# KiCad board RX8-7.kicad_pcb (continued)
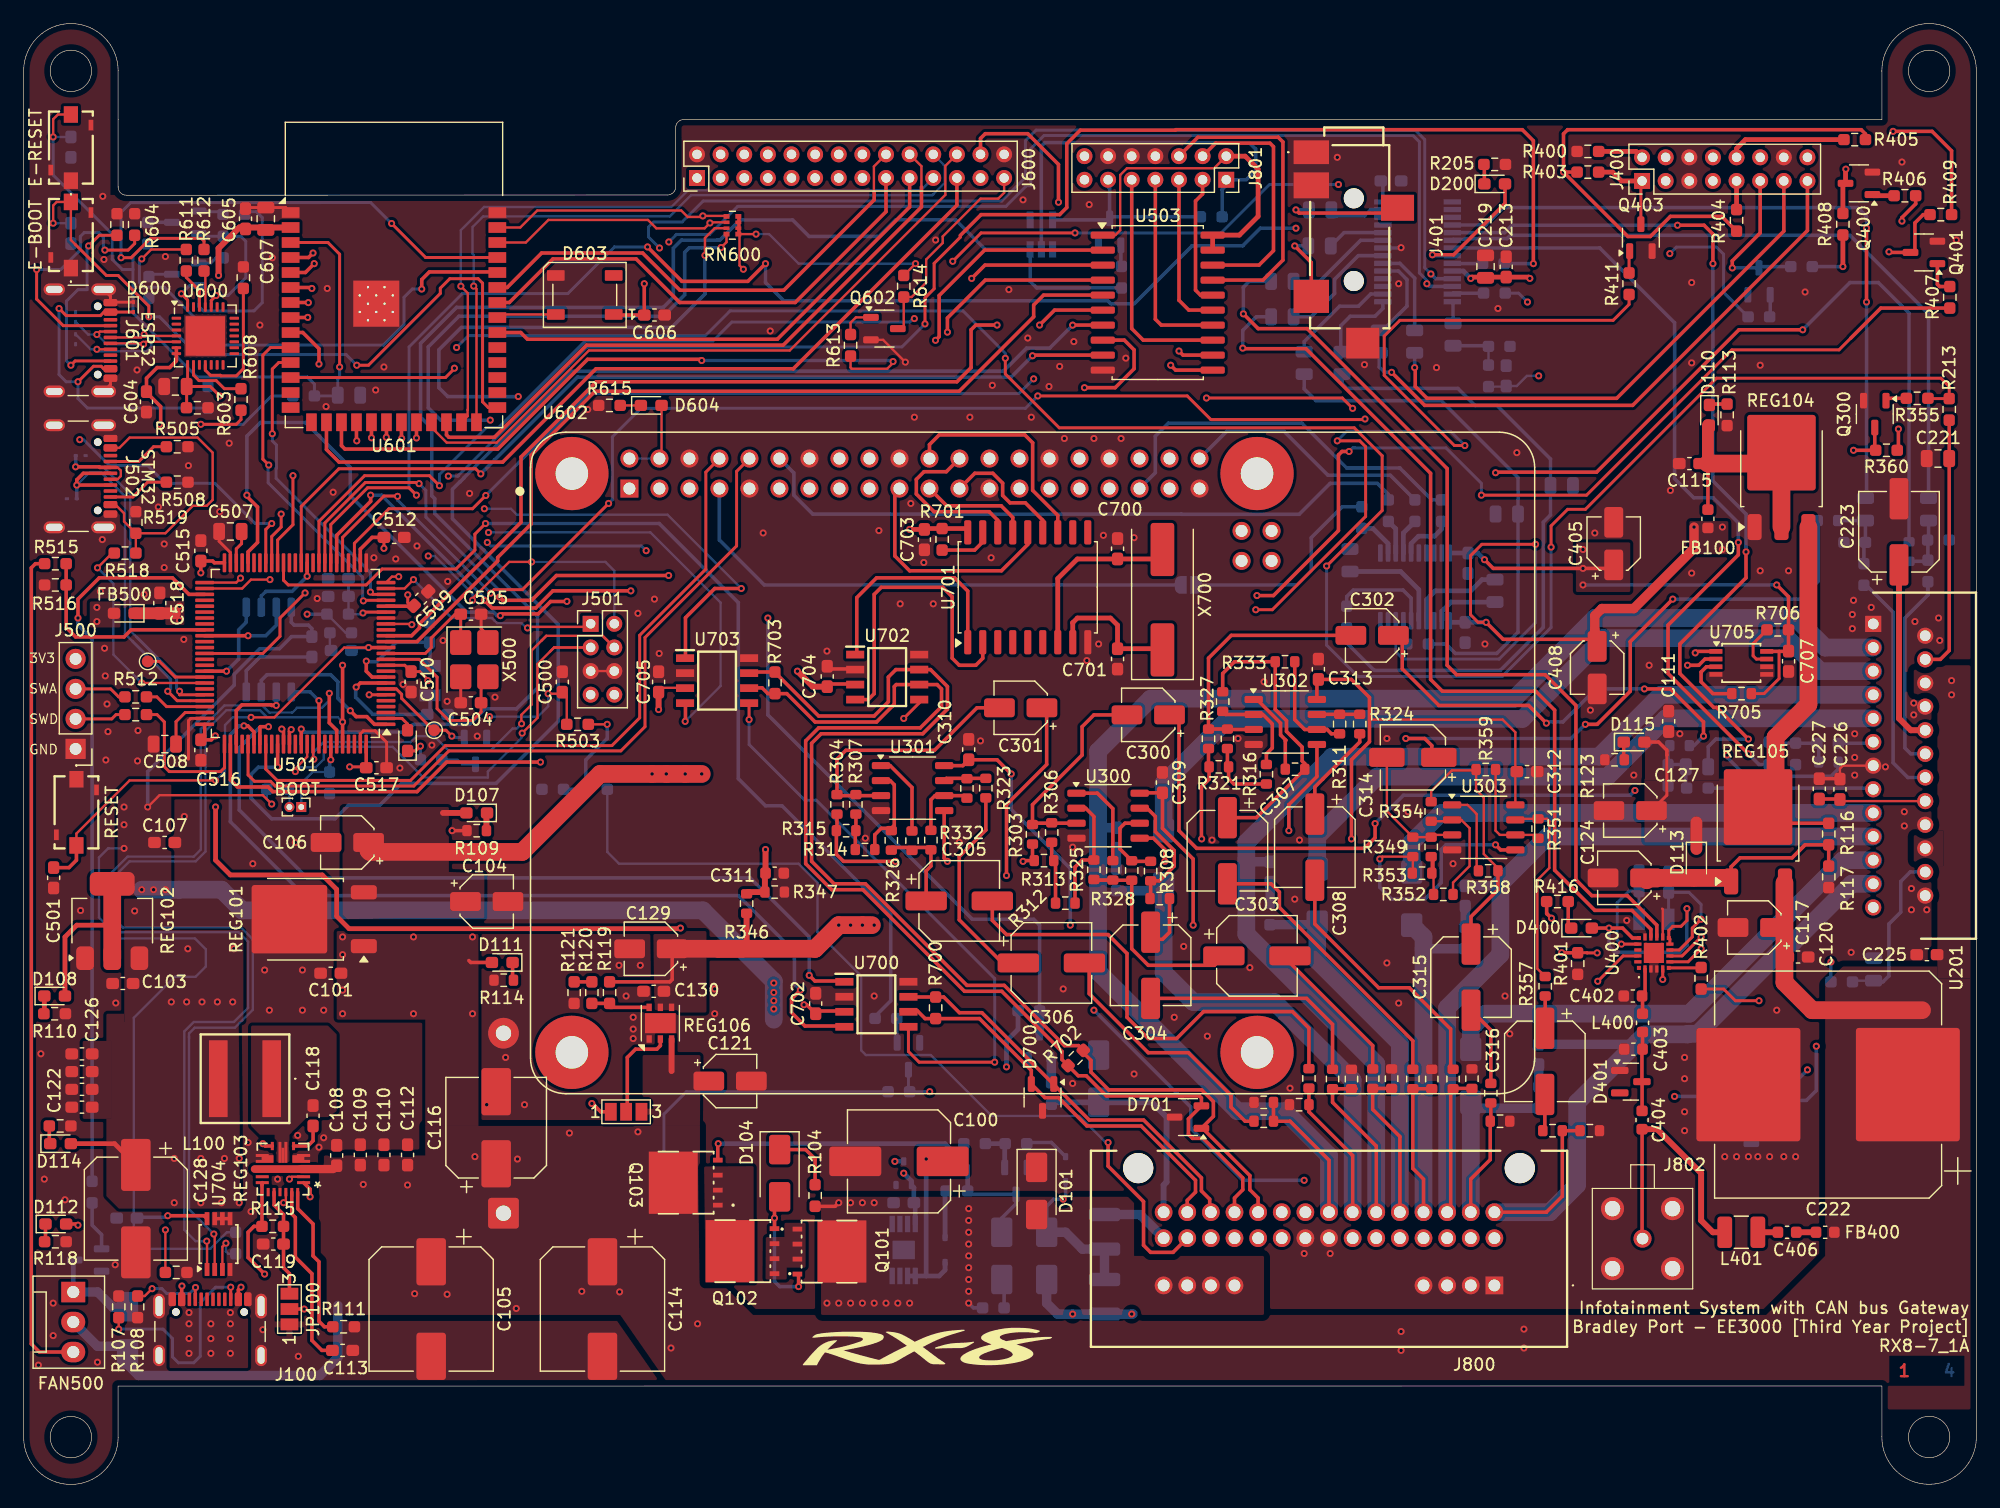
[diagram p0: board, top side]
## Placement (name value [footprint] x y rotation side) (continued)
R341  10k  [R_0603_1608Metric]  112.4 34.32 270 top
R342  10k  [R_0603_1608Metric]  107.97 32.14 0 top
R343  10k  [R_0603_1608Metric]  119.2 34.32 270 top
R344  10k  [R_0603_1608Metric]  122.6 34.34 270 top
R345  10k  [R_0603_1608Metric]  104.97 32.34 0 top
R346  3k3  [R_0603_1608Metric]  61.2 49.17 270 top
R347  3k3  [R_0603_1608Metric]  63.57 50.14 180 top
R348  4k3  [R_0603_1608Metric]  152.74 81.59 180 bottom
R349  0R  [R_0603_1608Metric]  117.6 53.97 90 top
R350  27k  [R_0603_1608Metric]  119.15 53.97 270 top
R351  4k7  [R_0603_1608Metric]  128.2 55.52 270 top
R352  4k7  [R_0603_1608Metric]  120.18 49.94 0 top
R353  0R  [R_0603_1608Metric]  118.38 51.74 0 top
R354  1k  [R_0603_1608Metric]  119.15 56.97 270 top
R355  1k  [R_0603_1608Metric_Pad0.98x0.95mm_HandSolder]  160.29 91.94 180 top
R356  1k  [R_0603_1608Metric_Pad0.98x0.95mm_HandSolder]  72.99 39.44 0 bottom
R357  4R7  [R_0603_1608Metric]  128.8 42.17 90 top
R358  4R7  [R_0603_1608Metric]  123.97 51.94 180 top
R359  4k7  [R_0603_1608Metric]  123.78 60.52 180 top
R360  10k  [R_0603_1608Metric_Pad0.98x0.95mm_HandSolder]  157.69 87.54 0 top
R361  10k  [R_0603_1608Metric_Pad0.98x0.95mm_HandSolder]  74.09 33.24 180 bottom
R362  0R  [R_0603_1608Metric]  124.2 33.12 270 top
R363  0R  [R_0603_1608Metric]  129.43 29.94 0 top
R364  10k  [R_0603_1608Metric]  124.97 30.74 180 top
R365  10k  [R_0603_1608Metric]  132.57 29.94 180 top
R400  10k  [R_0603_1608Metric_Pad0.98x0.95mm_HandSolder]  132.41 112.84 0 top
R401  10k  [R_0603_1608Metric_Pad0.98x0.95mm_HandSolder]  131.55 44.09 90 top
R402  10k  [R_0603_1608Metric_Pad0.98x0.95mm_HandSolder]  142 42.84 270 top
R403  10k  [R_0603_1608Metric_Pad0.98x0.95mm_HandSolder]  132.41 111.09 180 top
R404  10k  [R_0603_1608Metric_Pad0.98x0.95mm_HandSolder]  145 107.01 270 top
R405  10k  [R_0603_1608Metric_Pad0.98x0.95mm_HandSolder]  155 113.84 0 top
R406  1k  [R_0603_1608Metric_Pad0.98x0.95mm_HandSolder]  159.25 109.09 180 top
R407  1k  [R_0603_1608Metric_Pad0.98x0.95mm_HandSolder]  163.05 100.49 90 top
R408  10k  [R_0603_1608Metric_Pad0.98x0.95mm_HandSolder]  154 106.68 270 top
R409  10k  [R_0603_1608Metric_Pad0.98x0.95mm_HandSolder]  162.29 107.49 0 top
R410  1k  [R_0603_1608Metric_Pad0.98x0.95mm_HandSolder]  146.89 98.84 0 bottom
R411  1k  [R_0603_1608Metric_Pad0.98x0.95mm_HandSolder]  135.9 101.64 90 top
R412  1k  [R_0603_1608Metric_Pad0.98x0.95mm_HandSolder]  147.34 32.51 180 bottom
R413  10k  [R_0603_1608Metric_Pad0.98x0.95mm_HandSolder]  144.5 33.51 90 bottom
R414  10k  [R_0603_1608Metric_Pad0.98x0.95mm_HandSolder]  150.5 103.09 0 bottom
R416  22k  [R_0603_1608Metric_Pad0.98x0.95mm_HandSolder]  129.84 49.34 180 top
R417  10k  [R_0603_1608Metric_Pad0.98x0.95mm_HandSolder]  120.03 82.43 270 bottom
R418  10k  [R_0603_1608Metric_Pad0.98x0.95mm_HandSolder]  117.78 82.43 270 bottom
R419  10k  [R_0603_1608Metric_Pad0.98x0.95mm_HandSolder]  115.53 82.43 270 bottom
R420  10k  [R_0603_1608Metric_Pad0.98x0.95mm_HandSolder]  113.28 81.84 270 bottom
R421  470R  [R_0603_1608Metric_Pad0.98x0.95mm_HandSolder]  112 73.43 270 bottom
R422  470R  [R_0603_1608Metric_Pad0.98x0.95mm_HandSolder]  118 71.14 0 bottom
R500  10k  [R_0603_1608Metric_Pad0.98x0.95mm_HandSolder]  21.5 58.84 0 bottom
R501  10k  [R_0603_1608Metric_Pad0.98x0.95mm_HandSolder]  87 33.09 90 bottom
R502  10k  [R_0603_1608Metric_Pad0.98x0.95mm_HandSolder]  85.09 40.09 180 bottom
R503  1k  [R_0603_1608Metric_Pad0.98x0.95mm_HandSolder]  46.89 64.34 180 top
R504  10k  [R_0603_1608Metric_Pad0.98x0.95mm_HandSolder]  92.93 102.2 90 bottom
R505  5k1  [R_0603_1608Metric_Pad0.98x0.95mm_HandSolder]  13 87.84 0 top
R506  10k  [R_0603_1608Metric_Pad0.98x0.95mm_HandSolder]  100.53 107.31 0 bottom
R507  0R  [R_0603_1608Metric_Pad0.98x0.95mm_HandSolder]  26.59 73.67 180 bottom
R508  5k1  [R_0603_1608Metric_Pad0.98x0.95mm_HandSolder]  13 84.84 0 top
R509  10k  [R_0603_1608Metric_Pad0.98x0.95mm_HandSolder]  26.84 72.09 0 bottom
R510  10k  [R_0603_1608Metric_Pad0.98x0.95mm_HandSolder]  25.9 59.39 90 bottom
R511  10k  [R_0603_1608Metric_Pad0.98x0.95mm_HandSolder]  34.5 61.34 180 bottom
R512  22R  [R_0603_1608Metric_Pad0.98x0.95mm_HandSolder]  9.49 66.67 180 top
R513  22R  [R_0603_1608Metric_Pad0.98x0.95mm_HandSolder]  9.49 65.17 180 top
R514  1k  [R_0603_1608Metric_Pad0.98x0.95mm_HandSolder]  124 93.84 90 bottom
R515  82k  [R_0603_1608Metric_Pad0.98x0.95mm_HandSolder]  2.69 77.94 0 top
R516  10k  [R_0603_1608Metric_Pad0.98x0.95mm_HandSolder]  2.69 76.14 180 top
R517  1k  [R_0603_1608Metric_Pad0.98x0.95mm_HandSolder]  5.8 24.74 270 bottom
R518  22k  [R_0603_1608Metric_Pad0.98x0.95mm_HandSolder]  8.59 78.84 0 top
R519  33k  [R_0603_1608Metric_Pad0.98x0.95mm_HandSolder]  9.5 81.43 90 top
R520  0R  [R_0603_1608Metric_Pad0.98x0.95mm_HandSolder]  48.5 58.84 180 bottom
R521  NA  [R_0603_1608Metric_Pad0.98x0.95mm_HandSolder]  44.79 58.84 180 bottom
R600  10k  [R_0603_1608Metric_Pad0.98x0.95mm_HandSolder]  17.79 107.52 180 bottom
R601  10k  [R_0603_1608Metric_Pad0.98x0.95mm_HandSolder]  16.9 104.74 270 bottom
R602  22k1  [R_0603_1608Metric_Pad0.98x0.95mm_HandSolder]  15.6 92.03 90 bottom
R603  47k  [R_0603_1608Metric_Pad0.98x0.95mm_HandSolder]  14.7 91.14 180 top
R604  5k1  [R_0603_1608Metric_Pad0.98x0.95mm_HandSolder]  9.4 106.66 90 top
R605  5k1  [R_0603_1608Metric_Pad0.98x0.95mm_HandSolder]  7.9 106.66 90 top
R606  0R  [R_0603_1608Metric_Pad0.98x0.95mm_HandSolder]  10.5 105.92 270 bottom
R607  0R  [R_0603_1608Metric_Pad0.98x0.95mm_HandSolder]  10.6 101.33 90 bottom
R608  1k  [R_0603_1608Metric_Pad0.98x0.95mm_HandSolder]  18.4 91.84 270 top
R609  10k  [R_0603_1608Metric_Pad0.98x0.95mm_HandSolder]  23.7 92.14 0 bottom
R610  10k  [R_0603_1608Metric_Pad0.98x0.95mm_HandSolder]  18.6 102.16 90 top
R611  0R  [R_0603_1608Metric_Pad0.98x0.95mm_HandSolder]  13.77 103.63 90 top
R612  0R  [R_0603_1608Metric_Pad0.98x0.95mm_HandSolder]  15.27 103.63 90 top
R613  1k  [R_0603_1608Metric_Pad0.98x0.95mm_HandSolder]  70 96.43 90 top
R614  10k  [R_0603_1608Metric_Pad0.98x0.95mm_HandSolder]  74.5 101.43 270 top
R615  22k  [R_0603_1608Metric_Pad0.98x0.95mm_HandSolder]  49.59 91.34 0 top
R700  120R  [R_0603_1608Metric_Pad0.98x0.95mm_HandSolder]  77.2 40.34 270 top
R701  10k  [R_0603_1608Metric_Pad0.98x0.95mm_HandSolder]  77.75 80.01 90 top
R702  120R  [R_0603_1608Metric_Pad0.98x0.95mm_HandSolder]  89.05 36.1 225 top
R703  120R  [R_0603_1608Metric_Pad0.98x0.95mm_HandSolder]  63.6 67.86 90 top
R704  10k  [R_0603_1608Metric_Pad0.98x0.95mm_HandSolder]  17.95 20.43 90 bottom
R705  10k  [R_0603_1608Metric]  145.43 66.94 0 top
R706  10k  [R_0603_1608Metric_Pad0.98x0.95mm_HandSolder]  148.49 72.34 180 top
REF**  -  [LayerMarker_4_6.35x2.54mm_TextH1mm_P1.27mm]  159.2 8.34 0 top
REG100  TPS7B8233QDGNRQ1  [SOP65P490X110-9N]  74.5 19.84 90 bottom
REG101  LF80_TO252  [TO-252-2]  23.76 47.84 180 top
REG102  LD1117S33TR_SOT223  [SOT-223-3_TabPin2]  7.5 47.69 90 top
REG103  MPQ4317GRE-5-AEC1-P  [QFN-20_MPQ4317_MNP]  21.95 26.69 180 top
REG104  NCV1117DT33T5G  [TO-252-3_TabPin2]  148.8 86.08 90 top
REG105  NCV317MBDTRKG  [TO-252-2]  146.82 56.08 90 top
REG106  LDO40LPURY  [DFN-6-1EP_3x3mm_P0.95mm_EP1.7x2.6mm]  53.9 39.04 90 top
RESET  PTS636SKG25JSMTR_LFS  [PTS636SKG25JSMTRLFS]  4.47 56.89 270 top
RN600  R_Network04  [R_Array_Convex_4x0402]  60 106.59 0 top
TP500  TestPoint  [TestPoint_Pad_D1.0mm]  34.75 63.84 180 top
TP501  TestPoint  [TestPoint_Pad_D1.0mm]  10.5 69.67 180 top
U200  TDA7719  [SOP65P640X120-28N]  118 104.34 0 bottom
U201  TDA7388  [TO100P465X2910X1977-25P]  156.57 72.84 270 top
U300  NJM4556A  [SSOP-8_3.9x5.05mm_P1.27mm]  91.8 56.61 0 top
U301  NJM4556A  [SSOP-8_3.9x5.05mm_P1.27mm]  75.25 58.94 0 top
U302  NJM4556A  [SSOP-8_3.9x5.05mm_P1.27mm]  106.8 64.54 0 top
U303  NJM4556A  [SSOP-8_3.9x5.05mm_P1.27mm]  123.6 55.62 0 top
U400  SI4703-C19-GM  [SI4703C19GM]  138 44.99 90 top
U401  PCM5102A  [TSSOP-20_4.4x6.5mm_P0.65mm]  117.78 75.98 90 bottom
U500  MCP1402T-E_OT  [SOT95P270X145-5N]  86.15 105.79 90 bottom
U501  STM32H750VBTx  [LQFP-100_14x14mm_P0.5mm]  23 70.34 180 top
U502  W25Q32JVSS  [SOIC-8_5.3x5.3mm_P1.27mm]  20.75 70.67 90 bottom
U503  74HC245  [SOIC-20W_7.5x12.8mm_P1.27mm]  96 100.04 0 top
U600  CP2102N-Axx-xQFN28  [QFN-28-1EP_5x5mm_P0.5mm_EP3.35x3.35mm]  15.38 97.22 0 top
U601  -  [ESP32-S3-WROOM-1]  31.35 102.41 0 top
U602  Raspberry_Pi_5  [MODULE_RASPBERRY_PI_4B_4GB]  85.41 61.07 0 top
U700  TCAN1051VDRQ1  [SOIC127P600X175-8N]  72.19 40.64 0 top
U701  MCP2515-xSO  [SOIC-18W_7.5x11.6mm_P1.27mm]  85 75.94 90 top
U702  TCAN1051VDRQ1  [SOIC127P600X175-8N]  73.1 68.34 0 top
U703  TCAN1051VDRQ1  [SOIC127P600X175-8N]  58.7 68.04 0 top
U704  LM75B  [TSSOP-8_3x3mm_P0.65mm]  16.5 20.34 90 top
U705  LM75B  [TSSOP-8_3x3mm_P0.65mm]  145.4 69.54 0 top
X400  32.768K  [Crystal_SMD_3215-2Pin_3.2x1.5mm]  138 47.84 0 bottom
X500  25MHz  [Crystal_SMD_3225-4Pin_3.2x2.5mm_HandSoldering]  38.15 69.82 270 top
X501  32.768K  [Crystal_SMD_3215-2Pin_3.2x1.5mm]  34.4 68.04 270 bottom
X700  8MHz  [Crystal_SMD_HC49-SD]  96.4 74.89 90 top

## Library data of the parts
BOOT = -: Description: Generic connector, single row, 01x02, script generated; ki_fp_filters: Connector*:*_1x??_*
C100 = -: Description: EEE-FN2A100L; ki_fp_filters: CP_*
C101 C102 C108-C110 C112 C113 C118-C120 C122 C123 C130 C200-C221 C225-C227 C309-C313 C400-C404 C406 C407 C409-C413 C500-C519 C600-C607 C700-C707 = -: Description: Unpolarized capacitor; ki_fp_filters: C_*
C103 C111 C125 C126 = -: PN: C3225X7R1C226M250AC; ki_fp_filters: C_*
C104 C106 C116 C127 C222 C223 = -: ki_fp_filters: CP_*
C105 = -: Description: MAL215097102E3; ki_fp_filters: CP_*
C107 C115 = -: PN: CL32B106KBJNNNE; ki_fp_filters: C_*
C114 = -: Description: MAL215097101E3; ki_fp_filters: CP_*
C117 C121 C124 C405 C408 = -: Description: EEE-HC1C100R; ki_fp_filters: CP_*
C128 = -: Description: EEE-FN1C471L; ki_fp_filters: CP_*
C129 = -: Description: EDH475M035A9BAA; ki_fp_filters: CP_*
C300-C302 C314 = -: Datasheet: UZT1E4R7MCL1GB; Description: Polarized capacitor; ki_fp_filters: CP_*
C303 C305 C307 C315 = -: Description: EEE-FT1C221AL; ki_fp_filters: CP_*
C304 C306 C308 C316 = -: Description: Polarized capacitor; ki_fp_filters: CP_*
D100 D102 = -: Datasheet: http://www.vishay.com/docs/88516/1n5400.pdf; Sim.Device: D; Sim.Pins: 1=K 2=A; PN: RF302LAM2STR; ki_fp_filters: D*DO?201AD*
D101 D401 D500 = -: Datasheet: https://www.littelfuse.com/media?resourcetype=datasheets&itemid=75e32973-b177-4ee3-a0ff-cedaf1abdb93&filename=smaj-datasheet; Description: 400W bidirectional Transient Voltage Suppressor, 18.0Vr, SMA(DO-214AC); ki_fp_filters: D*SMA*
D103-D105 = -: Description: 1PGSMA4744H; ki_fp_filters: TO-???* *_Diode_* *SingleDiode* D_*
D107 D108 D110-D112 D114 D115 D200 D400 D504 D604 = -: ki_fp_filters: LED* LED_SMD:* LED_THT:*
D109 = -: Datasheet: https://www.vishay.com/docs/88301/15ke.pdf; ki_fp_filters: D?DO?201AE*
D113 = -: Datasheet: http://www.vishay.com/docs/88503/1n4001.pdf; Description: 1000V 1A General Purpose Rectifier Diode, DO-41; Sim.Device: D; Sim.Pins: 1=K 2=A; ki_fp_filters: D*DO?41*
D501 = -: Datasheet: https://assets.nexperia.com/documents/data-sheet/BAT54W_SER.pdf; Description: Schottky barrier diode, SOT-323; ki_fp_filters: SOT?323*
D502 D503 D600-D602 = -: Datasheet: https://www.onsemi.com/pub/Collateral/ESD9B-D.PDF; Description: ESD protection diode, 5.0Vrwm, SOD-923; ki_fp_filters: D*SOD?923*
D505 = -: Datasheet: http://www.vishay.com/docs/88503/1n4001.pdf; Sim.Device: D; Sim.Pins: 1=K 2=A; ki_fp_filters: D*DO?41*
D603 = -: Datasheet: https://cdn-shop.adafruit.com/datasheets/WS2812B.pdf; Description: RGB LED with integrated controller; ki_fp_filters: LED*WS2812*PLCC*5.0x5.0mm*P3.2mm*
D700 D701 = -: Datasheet: https://www.ti.com/lit/ds/symlink/esd2can24-q1.pdf?ts=1669637432096&ref_url=https%253A%252F%252Fwww.ti.com%252Fproduct%252FESD2CAN24-Q1; Description: ESD Suppressors / TVS Diodes Automotive, dual, 3-pF, +/-24-V, +/-30-kV ESD protection diode for CAN and in-vehicle networks 3-SOT-23 -55 to 150; Height: 1.12; Mouser Part Number: 595-ESD2CAN24DBZRQ1; Mouser Price/Stock: https://www.mouser.co.uk/ProductDetail/Texas-Instruments/ESD2CAN24DBZRQ1?qs=Y0Uzf4wQF3knJz9mU6BNuw%3D%3D; Manufacturer_Name: Texas Instruments
E-BOOT E-RESET RESET = -: Datasheet: https://www.ckswitches.com/media/2779/pts636.pdf; Description: Tactile Switches Tact 50mA 12VDC, 6.0x3.5, 2.5mm H, 250gf, J leads, Ground pin, Red Actuator; Height: 2.7; Mouser Part Number: 611-PTS636SKG25JSMTR; Mouser Price/Stock: https://www.mouser.co.uk/ProductDetail/CK/PTS636SKG25JSMTR-LFS?qs=jcD%2FCkGBYeNo6fuer6a%2Fog%3D%3D; Manufacturer_Name: C & K COMPONENTS; Manufacturer_Part_Number: PTS636SKG25JSMTR LFS
FAN500 = -: Datasheet: http://www.hardwarecanucks.com/forum/attachments/new-builds/16287d1330775095-help-chassis-power-fan-connectors-motherboard-asus_p8z68.jpg; Description: Fan, tacho output, 3-pin connector; ki_fp_filters: FanPinHeader*P2.54mm*Vertical* PinHeader*P2.54mm*Vertical* TerminalBlock*
FB100 = -: Description: BLM18PG221SN1D; ki_fp_filters: Inductor_* L_* *Ferrite*
FB400 FB500 = -: Description: Ferrite bead; ki_fp_filters: Inductor_* L_* *Ferrite*
J100 J502 J601 = -: Datasheet: https://www.usb.org/sites/default/files/documents/usb_type-c.zip; Description: USB 2.0-only 16P Type-C Receptacle connector; ki_fp_filters: USB*C*Receptacle*
J400 = -: Description: Generic connector, single row, 01x15, script generated; ki_fp_filters: Connector*:*_1x??_*
J401 = -: Datasheet: https://www.digikey.com/en/products/detail/switchcraft-inc/35RASMT6CHNTRX/16569700; Description: 3.50mm (0.141", 1/8", Mini Plug) - Headphone Phone Jack Stereo (4 Conductor, TRRS) Connector Solder; Height: 5.6; Mouser Part Number: 502-35RASMT6CHNTRX; Mouser Price/Stock: https://www.mouser.co.uk/ProductDetail/Switchcraft/35RASMT6CHNTRX?qs=tlsG%2FOw5FFjAOUhC8CJiRQ%3D%3D; Manufacturer_Name: Switchcraft
J500 = -: Description: Generic connector, single row, 01x04, script generated; ki_fp_filters: Connector*:*_1x??_*
J501 = -: Description: Generic connector, single row, 01x08, script generated; ki_fp_filters: Connector*:*_1x??_*
J600 = -: Datasheet: PHDR-28VS; Description: Generic connector, single row, 01x28, script generated; ki_fp_filters: Connector*:*_1x??_*
J800 = -: Datasheet: https://www.molex.com/pdm_docs/sd/349580383_sd.pdf; Description: Mini50 Unsealed Vertical Hybrid Header, 3 Rows, 38 Circuits, Polarization Option A,Black, Tray; Height: 21.53; Mouser Part Number: 538-34958-0383; Mouser Price/Stock: https://www.mouser.co.uk/ProductDetail/Molex/34958-0383?qs=Zz7%252BYVVL6bGxJEg%252BS51b4A%3D%3D; Manufacturer_Name: Molex; Male: 349590390
J801 = -: Description: Generic connector, single row, 01x12, script generated; ki_fp_filters: Connector*:*_1x??_*
J802 = -: Datasheet: https://componentsearchengine.com/Datasheets/1/59S10H-400T5-A.pdf; Description: RF Connectors / Coaxial Connectors PlugPCBoardSolderPns Straight A Black; Height: 12.45; Mouser Part Number: 476-59S10H-400T5-A; Mouser Price/Stock: https://www.mouser.co.uk/ProductDetail/Rosenberger/59S10H-400T5-A?qs=ehM%252BESVsXgx80Nanfa%252B%2FNA%3D%3D; Manufacturer_Name: Rosenberger
JP100 JP101 = -: Description: Jumper, 3-pole, pins 1+2 closed/bridged; ki_fp_filters: Jumper* TestPoint*3Pads* TestPoint*Bridge*
JP600 = -: Description: Jumper, 2-pole, open; ki_fp_filters: Jumper* TestPoint*2Pads* TestPoint*Bridge*
L100 = -: Description: 74477004; ki_fp_filters: Choke_* *Coil* Inductor_* L_*
L200-L203 = -: Description: SRP5030HMT-100M; ki_fp_filters: Choke_* *Coil* Inductor_* L_*
L400 L401 = -: Description: Inductor; ki_fp_filters: Choke_* *Coil* Inductor_* L_*
Q100 = -: Description: 2SC4116-BL,LXHF; Sim.Type: GUMMELPOON; Sim.Pins: 1=C 2=B 3=E
Q101-Q103 = -: Datasheet: https://www.vishay.com/doc?62806; ki_fp_filters: PowerPAK-SO-8L_Option-2_VIS
Q300 Q301 Q400-Q404 Q500-Q502 Q600-Q602 = -: Datasheet: https://ngspice.sourceforge.io/docs/ngspice-html-manual/manual.xhtml#cha_BJTs; Description: Bipolar transistor symbol for simulation only, substrate tied to the emitter; Sim.Type: GUMMELPOON; Sim.Pins: 1=C 2=B 3=E
Q503 = -: Description: BC817; Sim.Pins: 1=C 2=B 3=E
R100-R106 R109 R110 R113 R114 R118-R123 R205 R416 R515 R516 R518 R519 R615 R704 R705 = -: ki_fp_filters: R_*
R107 R108 R111 R112 R115-R117 R200-R204 R206-R213 R300-R365 R400-R414 R417-R422 R500-R514 R517 R520 R521 R600-R614 R700-R703 R706 = -: Description: Resistor; ki_fp_filters: R_*
REG100 = -: Datasheet: http://www.ti.com/lit/gpn/tps7b82-q1; Description: Automotive 300-mA high-voltage ultra-low-IQ low-dropout (LDO) linear regulator; Height: 1.1; Mouser Part Number: 595-TPS7B8233QDGNRQ1; Mouser Price/Stock: https://www.mouser.co.uk/ProductDetail/Texas-Instruments/TPS7B8233QDGNRQ1?qs=gTYE2QTfZfTgserf%2FHg6KA%3D%3D; Manufacturer_Name: Texas Instruments
REG101 = -: Datasheet: http://www.st.com/content/ccc/resource/technical/document/datasheet/c4/0e/7e/2a/be/bc/4c/bd/CD00000546.pdf/files/CD00000546.pdf/jcr:content/translations/en.CD00000546.pdf; Description: Low-drop Voltage Regulator, Io up to 500mA, Fixed Vo 8.0V, TO-252 (DPAK); ki_fp_filters: TO?252*
REG102 REG104 = -: Datasheet: http://www.st.com/st-web-ui/static/active/en/resource/technical/document/datasheet/CD00000544.pdf; ki_fp_filters: SOT?223*TabPin2*
REG103 = -: Datasheet: https://www.monolithicpower.com/en/documentview/productdocument/index/version/2/document_type/Datasheet/lang/en/sku/MPQ4317GRE-AEC1; ki_fp_filters: QFN-20_MPQ4317_MNP
REG105 = -: Datasheet: https://www.onsemi.com/pub/Collateral/LM317M-D.PDF; Description: Output Adjustable between 1.2 V and 37 V; Output Current in Excess of 500 mA; Internal Thermal Overload Protection; Internal Short Circuit Current Limiting Constant with Temperature; Output Transistor Safe-Area Compensation; Floating Operation for High Voltage Applications; Eliminates Stocking many Fixed Voltages Standard Application; Pb-Free Packages are Available; Height: 1.75; Mouser Part Number: 863-NCV317MABSTT3G; Mouser Price/Stock: https://www.mouser.co.uk/ProductDetail/onsemi/NCV317MABSTT3G?qs=dbuNSGnowt0tcE8zW0NETQ%3D%3D; Manufacturer_Name: onsemi; Manufacturer_Part_Number: NCV317MABSTT3G
REG106 = -: Datasheet: https://www.st.com/resource/en/datasheet/ldo40l.pdf; Description: 400mA, 3.5V-38V input, 2.5V-11V output, adjustable positive LDO regulator with enable, DFN-6; ki_fp_filters: DFN*1EP*3x3mm*P0.95mm*
RN600 = -: Datasheet: http://www.vishay.com/docs/31509/csc.pdf; Description: 4 resistor network, star topology, bussed resistors, small symbol; ki_fp_filters: R?Array?SIP*
TP500 TP501 = -: Description: test point; ki_fp_filters: Pin* Test*
U200 = -: Datasheet: https://www.st.com/resource/en/datasheet/tda7719.pdf; Description: Audio DSPs 3 Band Car Audio Processor; Height: 1.2; Mouser Part Number: 511-TDA7719; Mouser Price/Stock: https://www.mouser.co.uk/ProductDetail/STMicroelectronics/TDA7719?qs=pW7VN3fQ%252BU8DQGKC11TzWg%3D%3D; Manufacturer_Name: STMicroelectronics
U201 = -: Datasheet: https://www.st.com/resource/en/datasheet/tda7388.pdf; Description: STMICROELECTRONICS - TDA7388 - AMPLIFIER, CLASS AB, 4X45W, FLEXIWATT25; Height: 4.65; Mouser Part Number: 511-TDA7388; Mouser Price/Stock: https://www.mouser.co.uk/ProductDetail/STMicroelectronics/TDA7388?qs=zDsuRuHENM8sRq8DuFBdHA%3D%3D; Manufacturer_Name: STMicroelectronics
U300-U303 = -: Datasheet: http://www.njr.com/semicon/PDF/NJM4556A_E.pdf; Description: Dual High Current Operational Amplifier, DIP-8/DMP-8/SIP-8/SSOP-8; ki_fp_filters: SOIC*3.9x4.9mm*P1.27mm* DIP*W7.62mm* TO*99* OnSemi*Micro8* TSSOP*3x3mm*P0.65mm* TSSOP*4.4x3mm*P0.65mm* MSOP*3x3mm*P0.65mm* SSOP*3.9x4.9mm*P0.635mm* LFCSP*2x2mm*P0.5mm* *SIP* SOIC*5.3x6.2mm*P1.27mm*
U400 = -: Datasheet: https://www.skyworksinc.com/-/media/Skyworks/SL/documents/public/data-sheets/Si4702-03-C19.pdf; Description: Tuners Radio 108MHz Automotive 20-Pin QFN EP Tray; Height: 0.6; Mouser Part Number: 634-SI4703-C19-GM; Mouser Price/Stock: https://www.mouser.co.uk/ProductDetail/Skyworks-Solutions-Inc/SI4703-C19-GM?qs=JiL6vA75y8O1ZAxL45qs%252BQ%3D%3D; Manufacturer_Name: Skyworks
U401 = -: Datasheet: https://www.ti.com/lit/ds/symlink/pcm5102a.pdf; Description: 2.1 VRMS, 112dB Audio Stereo DAC with PLL and 32-bit, 384kHz PCM Interface, TSSOP-20; ki_fp_filters: TSSOP*4.4x6.5mm*P0.65mm*
U500 = -: Datasheet: https://datasheet.datasheetarchive.com/originals/distributors/SFDatasheet-4/sf-00090018.pdf; Description: MOSFET Driver 0.5A High-Speed 18V SOT23; Height: 1.45; Mouser Part Number: 579-MCP1402T-E/OT; Mouser Price/Stock: https://www.mouser.co.uk/ProductDetail/Microchip-Technology/MCP1402T-E-OT?qs=aE5D7Pt6ky3dpBpieBLY3A%3D%3D; Manufacturer_Name: Microchip; Manufacturer_Part_Number: MCP1402T-E/OT
U501 = -: Datasheet: https://www.st.com/resource/en/datasheet/stm32h750vb.pdf; Description: STMicroelectronics Arm Cortex-M7 MCU, 128KB flash, 1024KB RAM, 480 MHz, 1.71-3.6V, 82 GPIO, LQFP100; ki_fp_filters: LQFP*14x14mm*P0.5mm*
U502 = -: Datasheet: http://www.winbond.com/resource-files/w25q32jv%20revg%2003272018%20plus.pdf; Description: 32Mbit / 4MiB Serial Flash Memory, Standard/Dual/Quad SPI, 2.7-3.6V, SOIC-8 (208 mil); ki_fp_filters: *SOIC*5.3x5.3mm*P1.27mm*
U503 = -: Datasheet: http://www.ti.com/lit/gpn/sn74HC245; Description: Octal BUS Transceivers, 3-State outputs; ki_fp_filters: DIP?20*
U600 = -: Datasheet: https://www.silabs.com/documents/public/data-sheets/cp2102n-datasheet.pdf; Description: USB to UART master bridge, QFN-28; ki_fp_filters: QFN*1EP*5x5mm*P0.5mm*
U601 = -: Datasheet: https://www.espressif.com/sites/default/files/documentation/esp32-s3-wroom-1_wroom-1u_datasheet_en.pdf; Description: RF Module, ESP32-S3 SoC, Wi-Fi 802.11b/g/n, Bluetooth, BLE, 32-bit, 3.3V, onboard antenna, SMD; ki_fp_filters: ESP32?S3?WROOM?1*
U602 = -: Datasheet: https://datasheets.raspberrypi.com/rpi4/raspberry-pi-4-datasheet.pdf; Description: Raspberry Pi 4 Model B; ki_fp_filters: PinHeader*2x20*P2.54mm*Vertical* PinSocket*2x20*P2.54mm*Vertical*
U700 U702 U703 = -: Datasheet: http://www.ti.com/lit/gpn/TCAN1051V-Q1; Description: Automotive Fault Protected CAN Transceiver With Flexible Data-Rate; Height: 1.75; Mouser Part Number: 595-TCAN1051VDRQ1; Mouser Price/Stock: https://www.mouser.co.uk/ProductDetail/Texas-Instruments/TCAN1051VDRQ1?qs=dSktwyqbRaUHuzLGCY%2FY8w%3D%3D; Manufacturer_Name: Texas Instruments
U701 = -: Datasheet: http://ww1.microchip.com/downloads/en/DeviceDoc/21801e.pdf; Description: Stand-Alone CAN Controller with SPI Interface, SOIC-18; ki_fp_filters: SOIC*7.5x11.6mm*P1.27mm*
U704 U705 = -: Datasheet: http://www.ti.com/lit/ds/symlink/lm75b.pdf; ki_fp_filters: SOIC*3.9x4.9mm*P1.27mm* VSSOP*3.0x3.0mm*P0.65mm*
X400 X700 = -: Description: Two pin crystal; ki_fp_filters: Crystal*
X500 = -: Description: LFXTAL071758Cutt; ki_fp_filters: Crystal*
X501 = -: Description: CM7V-T1A-32.768kHz-12.5pF-20PPM-TC-QA; ki_fp_filters: Crystal*

## Footprints (pads in the part's own frame, mm; a bottom-side part is the same pattern mirrored in y, then rotated)
35RASMT6CHNTRX
  round 1.7 hole 1.7 unplated: (-3.13,0) (3.87,0)
  rect 2x3 smd: 1(-7.03,-3.6)
  rect 2.8x3 smd: 2(5.17,-3.6)
  rect 2.2x2.8 smd: 3(-2.33,3.7)
  rect 2.2x3 smd: 4(-4.23,-3.6)
  rect 2.6x2.8 smd: 5(9.13,0.75)
59S10H400T5A
  round 1.524 hole 0.98: 1(2.54,-2.54)
  round 1.95 hole 1.3: 2(0,0) 3(0,-5.08) 4(5.08,-5.08) 5(5.08,0)
349580383
  round 2.55 hole 2.55 unplated: (-2.15,-9.93) (30.15,-9.93)
  rect 1.5x1.5 hole 1: 1(0,0)
  round 1.5 hole 1: 2(2,0) 3(4,0) 4(6,0) 5(22,0) 6(24,0) 7(26,0) 8(28,0) 9(0,-4) 10(2,-4) 11(4,-4) 12(6,-4) 13(8,-4) 14(10,-4) 15(12,-4) 16(14,-4) 17(16,-4) 18(18,-4) 19(20,-4) 20(22,-4) 21(24,-4) 22(26,-4) 23(28,-4) 24(0,-6.2) 25(2,-6.2) 26(4,-6.2) 27(6,-6.2) 28(8,-6.2) 29(10,-6.2) 30(12,-6.2) 31(14,-6.2) 32(16,-6.2) 33(18,-6.2) 34(20,-6.2) 35(22,-6.2) 36(24,-6.2) 37(26,-6.2) 38(28,-6.2)
C_0603_1608Metric
  rrect 0.9x0.95 smd: 1(-0.775,0) 2(0.775,0)
C_0603_1608Metric_Pad1.08x0.95mm_HandSolder
  rrect 1.075x0.95 smd: 1(-0.863,0) 2(0.863,0)
C_0805_2012Metric
  rrect 1x1.45 smd: 1(-0.95,0) 2(0.95,0)
CP_Elec_4x5.4
  rrect 2.6x1.6 smd: 1(-1.8,0) 2(1.8,0)
CP_Elec_4x5.7
  rrect 2.6x1.6 smd: 1(-1.8,0) 2(1.8,0)
CP_Elec_5x4.5
  rrect 3x1.6 smd: 1(-2.2,0) 2(2.2,0)
CP_Elec_6.3x5.3
  rrect 3.5x1.6 smd: 1(-2.8,0) 2(2.8,0)
CP_Elec_6.3x5.9
  rrect 3.5x1.6 smd: 1(-2.8,0) 2(2.8,0)
CP_Elec_8x6.5
  rrect 4x2.5 smd: 1(-3.05,0) 2(3.05,0)
CP_Elec_8x10.5
  rrect 4.4x2.5 smd: 1(-3.7,0) 2(3.7,0)
CP_Elec_10x10
  rrect 4x2.5 smd: 1(-4,0) 2(4,0)
CP_Elec_18x22
  rrect 8.8x9.6 smd: 1(-6.75,0) 2(6.75,0)
Crystal_SMD_3215-2Pin_3.2x1.5mm
  rect 1x1.8 smd: 1(1.25,0) 2(-1.25,0)
Crystal_SMD_3225-4Pin_3.2x2.5mm_HandSoldering
  rrect 2.1x1.8 smd: 1(-1.45,-1.15) 2(1.45,-1.15) 3(1.45,1.15) 4(-1.45,1.15)
Crystal_SMD_HC49-SD
  rrect 4.5x2 smd: 1(-4.25,0) 2(4.25,0)
D_DO-201AE_P15.24mm_Horizontal
  rrect 2.6x2.6 hole 1.3: 1(0,0)
  round 2.6 hole 1.3: 2(15.24,0)
D_SMA
  rrect 2.5x1.8 smd: 1(-2,0) 2(2,0)
D_SOD-323
  rrect 0.6x0.45 smd: 1(-1.05,0) 2(1.05,0)
D_SOD-923
  rrect 0.36x0.25 smd: 1(-0.42,0) 2(0.42,0)
DFN-6-1EP_3x3mm_P0.95mm_EP1.7x2.6mm
  rect 0.66x0.73 smd: (-0.425,0.866) (-0.425,-0.866) (-0.425,0) (0.425,0) (0.425,0.866) (0.425,-0.866)
  rect 0.63x0.45 smd: 1(-1.34,0.95) 2(-1.34,0) 3(-1.34,-0.95) 4(1.34,-0.95) 5(1.34,0) 6(1.34,0.95)
  rect 1.7x2.6 smd: 7(0,0)
ESP32-S3-WROOM-1
  rect 0.9x0.9 smd: (-2.9,-1.06) (-2.9,-2.46) (-2.9,-3.86) (-1.5,-1.06) (-1.5,-2.46) (-1.5,-3.86) (-0.1,-1.06) (-0.1,-2.46) (-0.1,-3.86)
  rect 1.5x0.9 smd: 1(-8.75,5.26) 2(-8.75,3.99) 3(-8.75,2.72) 4(-8.75,1.45) 5(-8.75,0.18) 6(-8.75,-1.09) 7(-8.75,-2.36) 8(-8.75,-3.63) 9(-8.75,-4.9) 10(-8.75,-6.17) 11(-8.75,-7.44) 12(-8.75,-8.71) 13(-8.75,-9.98) 14(-8.75,-11.25) 27(8.75,-11.25) 28(8.75,-9.98) 29(8.75,-8.71) 30(8.75,-7.44) 31(8.75,-6.17) 32(8.75,-4.9) 33(8.75,-3.63) 34(8.75,-2.36) 35(8.75,-1.09) 36(8.75,0.18) 37(8.75,1.45) 38(8.75,2.72) 39(8.75,3.99) 40(8.75,5.26)
  rect 0.9x1.5 smd: 15(-6.985,-12.5) 16(-5.715,-12.5) 17(-4.445,-12.5) 18(-3.175,-12.5) 19(-1.905,-12.5) 20(-0.635,-12.5) 21(0.635,-12.5) 22(1.905,-12.5) 23(3.175,-12.5) 24(4.445,-12.5) 25(5.715,-12.5) 26(6.985,-12.5)
  round 0.6 hole 0.2: 41(-2.9,-1.76) 41(-2.9,-3.16) 41(-2.2,-1.06) 41(-2.2,-2.46) 41(-2.2,-3.86) 41(-1.5,-1.76) 41(-1.5,-3.16) 41(-0.8,-1.06) 41(-0.8,-2.46) 41(-0.8,-3.86) 41(-0.1,-1.76) 41(-0.1,-3.16)
  rect 3.9x3.9 smd: 41(-1.5,-2.46)
FanPinHeader_1x03_P2.54mm_Vertical
  rect 1.73x2.03 hole 1.02: 1(0,0)
  oval 1.73x2.03 hole 1.02: 2(2.54,0) 3(5.08,0)
L_1210_3225Metric
  rrect 1.25x2.65 smd: 1(-1.4,0) 2(1.4,0)
L_Bourns_SRP5030T
  rrect 2x1.8 smd: 1(-2.25,0) 2(2.25,0)
LED_0603_1608Metric_Pad1.05x0.95mm_HandSolder
  rrect 1.05x0.95 smd: 1(-0.875,0) 2(0.875,0)
LED_WS2812B_PLCC4_5.0x5.0mm_P3.2mm
  rrect 1.5x0.9 smd: 1(-2.45,1.65) 2(-2.45,-1.65) 3(2.45,-1.65) 4(2.45,1.65)
LQFP-100_14x14mm_P0.5mm
  rrect 1.6x0.3 smd: 1(-7.675,6) 2(-7.675,5.5) 3(-7.675,5) 4(-7.675,4.5) 5(-7.675,4) 6(-7.675,3.5) 7(-7.675,3) 8(-7.675,2.5) 9(-7.675,2) 10(-7.675,1.5) 11(-7.675,1) 12(-7.675,0.5) 13(-7.675,0) 14(-7.675,-0.5) 15(-7.675,-1) 16(-7.675,-1.5) 17(-7.675,-2) 18(-7.675,-2.5) 19(-7.675,-3) 20(-7.675,-3.5) 21(-7.675,-4) 22(-7.675,-4.5) 23(-7.675,-5) 24(-7.675,-5.5) 25(-7.675,-6) 51(7.675,-6) 52(7.675,-5.5) 53(7.675,-5) 54(7.675,-4.5) 55(7.675,-4) 56(7.675,-3.5) 57(7.675,-3) 58(7.675,-2.5) 59(7.675,-2) 60(7.675,-1.5) 61(7.675,-1) 62(7.675,-0.5) 63(7.675,0) 64(7.675,0.5) 65(7.675,1) 66(7.675,1.5) 67(7.675,2) 68(7.675,2.5) 69(7.675,3) 70(7.675,3.5) 71(7.675,4) 72(7.675,4.5) 73(7.675,5) 74(7.675,5.5) 75(7.675,6)
  rrect 0.3x1.6 smd: 26(-6,-7.675) 27(-5.5,-7.675) 28(-5,-7.675) 29(-4.5,-7.675) 30(-4,-7.675) 31(-3.5,-7.675) 32(-3,-7.675) 33(-2.5,-7.675) 34(-2,-7.675) 35(-1.5,-7.675) 36(-1,-7.675) 37(-0.5,-7.675) 38(0,-7.675) 39(0.5,-7.675) 40(1,-7.675) 41(1.5,-7.675) 42(2,-7.675) 43(2.5,-7.675) 44(3,-7.675) 45(3.5,-7.675) 46(4,-7.675) 47(4.5,-7.675) 48(5,-7.675) 49(5.5,-7.675) 50(6,-7.675) 76(6,7.675) 77(5.5,7.675) 78(5,7.675) 79(4.5,7.675) 80(4,7.675) 81(3.5,7.675) 82(3,7.675) 83(2.5,7.675) 84(2,7.675) 85(1.5,7.675) 86(1,7.675) 87(0.5,7.675) 88(0,7.675) 89(-0.5,7.675) 90(-1,7.675) 91(-1.5,7.675) 92(-2,7.675) 93(-2.5,7.675) 94(-3,7.675) 95(-3.5,7.675) 96(-4,7.675) 97(-4.5,7.675) 98(-5,7.675) 99(-5.5,7.675) 100(-6,7.675)
MODULE_RASPBERRY_PI_4B_4GB
  rect 1.524x1.524 hole 1.016: 1(-34.13,23.23)
  round 1.524 hole 1.016: 2(-34.13,25.77) 3(-31.59,23.23) 4(-31.59,25.77) 5(-29.05,23.23) 6(-29.05,25.77) 7(-26.51,23.23) 8(-26.51,25.77) 9(-23.97,23.23) 10(-23.97,25.77) 11(-21.43,23.23) 12(-21.43,25.77) 13(-18.89,23.23) 14(-18.89,25.77) 15(-16.35,23.23) 16(-16.35,25.77) 17(-13.81,23.23) 18(-13.81,25.77) 19(-11.27,23.23) 20(-11.27,25.77) 21(-8.73,23.23) 22(-8.73,25.77) 23(-6.19,23.23) 24(-6.19,25.77) 25(-3.65,23.23) 26(-3.65,25.77) 27(-1.11,23.23) 28(-1.11,25.77) 29(1.43,23.23) 30(1.43,25.77) 31(3.97,23.23) 32(3.97,25.77) 33(6.51,23.23) 34(6.51,25.77) 35(9.05,23.23) 36(9.05,25.77) 37(11.59,23.23) 38(11.59,25.77) 39(14.13,23.23) 40(14.13,25.77) 41(20.23,17.107) 42(20.23,19.647) 43(17.69,17.107) 44(17.69,19.647)
  round 6.2 hole 2.75: S1(-39,24.5) S2(19,24.5) S3(19,-24.5) S4(-39,-24.5)
PinHeader_1x02_P1.00mm_Vertical
  rect 0.85x0.85 hole 0.5: 1(0,0)
  round 0.85 hole 0.5: 2(0,-1)
PinHeader_1x04_P2.54mm_Vertical
  rect 1.7x1.7 hole 1: 1(0,0)
  round 1.7 hole 1: 2(0,-2.54) 3(0,-5.08) 4(0,-7.62)
PinHeader_2x04_P2.00mm_Vertical
  rect 1.35x1.35 hole 0.8: 1(0,0)
  round 1.35 hole 0.8: 2(2,0) 3(0,-2) 4(2,-2) 5(0,-4) 6(2,-4) 7(0,-6) 8(2,-6)
PinHeader_2x08_P2.00mm_Vertical
  rect 1.35x1.35 hole 0.8: 1(0,0)
  round 1.35 hole 0.8: 2(2,0) 3(0,-2) 4(2,-2) 5(0,-4) 6(2,-4) 7(0,-6) 8(2,-6) 9(0,-8) 10(2,-8) 11(0,-10) 12(2,-10) 13(0,-12) 14(2,-12) 15(0,-14) 16(2,-14)
PinHeader_2x14_P2.00mm_Vertical
  rect 1.35x1.35 hole 0.8: 1(0,0)
  round 1.35 hole 0.8: 2(2,0) 3(0,-2) 4(2,-2) 5(0,-4) 6(2,-4) 7(0,-6) 8(2,-6) 9(0,-8) 10(2,-8) 11(0,-10) 12(2,-10) 13(0,-12) 14(2,-12) 15(0,-14) 16(2,-14) 17(0,-16) 18(2,-16) 19(0,-18) 20(2,-18) 21(0,-20) 22(2,-20) 23(0,-22) 24(2,-22) 25(0,-24) 26(2,-24) 27(0,-26) 28(2,-26)
PinSocket_2x07_P2.00mm_Vertical
  rect 1.35x1.35 hole 0.8: 1(0,0)
  round 1.35 hole 0.8: 2(-2,0) 3(0,-2) 4(-2,-2) 5(0,-4) 6(-2,-4) 7(0,-6) 8(-2,-6) 9(0,-8) 10(-2,-8) 11(0,-10) 12(-2,-10) 13(0,-12) 14(-2,-12)
PowerPAK-SO-8L_Option-2_VIS
  rect 0.813x0.406 smd: 1(-2.715,1.905) 2(-2.715,0.635) 3(-2.715,-0.635) 4(-2.715,-1.905)
  rect 4.141x5.272 smd: 5(1.051,0.006)
PTS636SKG25JSMTRLFS
  rect 1.4x1.2 smd: 1(-2.8,0) 2(2.8,0)
  rect 0.9x0.4 smd: 3(-1.9,1.7) 4(1.9,-1.7)
QFN-20_MPQ4317_MNP
  rect 1.1x0.25 smd: 1(-1.75,1.15) 2(-1.75,0.65) 13(1.75,0.65) 14(1.75,1.15)
  rect 1.5x0.25 smd: 3(-1.55,0) 12(1.55,0)
  rect 1.5x0.249 smd: 4(-1.55,-0.651) 11(1.55,-0.65)
  rect 1.01x0.408 smd: 4(-1.305,-0.971)
  rect 1.123x0.249 smd: 5(-1.742,-1.151)
  rect 0.25x0.7 smd: 6(-0.9,-1.95) 9(0.9,-1.95) 15(1.25,1.95) 16(0.75,1.95) 17(0.25,1.95) 18(-0.25,1.95) 19(-0.75,1.95) 20(-1.25,1.95)
  rect 0.25x1.775 smd: 7(-0.25,-1.413) 8(0.25,-1.413)
  rect 0.25x1.275 smd: 7(0,-1.163)
  rect 1x0.425 smd: 10(1.3,-0.962)
  rect 1.1x0.249 smd: 10(1.75,-1.15)
